# Allegro board Notecarrier-AE PCB v1.7.brd (continued)
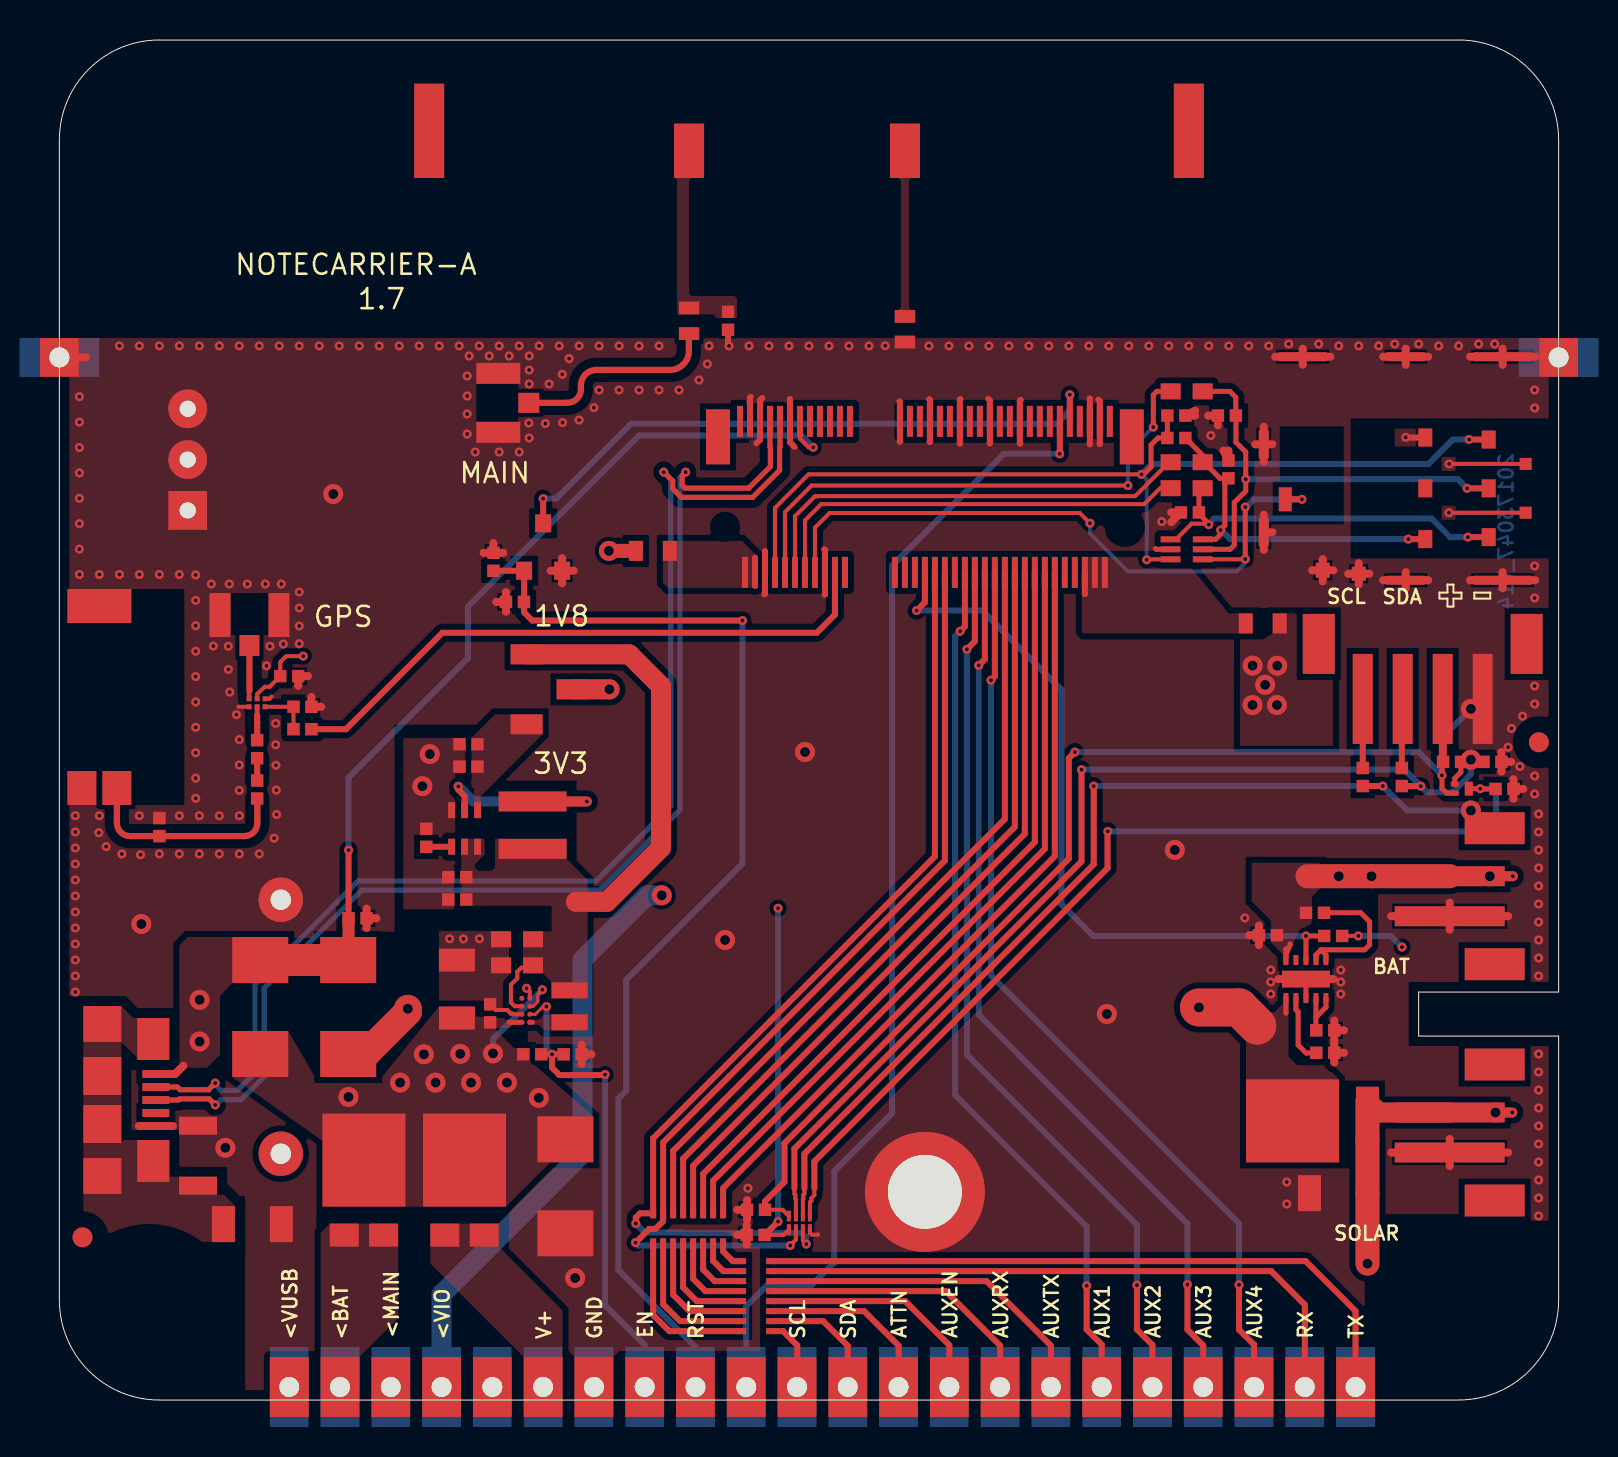
[diagram p0: board, top side]
## Copper pours and planes (outline as drawn; the poured copper is in the pictures) (continued)
VBAT on POWER: 9.52,13.54 9.52,11.31 9.92,10.92 14.91,10.92 15.32,11.32 15.32,18.35 15.65,18.69 16.09,18.69 16.35,18.95 16.35,21.5 16.34,21.52 16.64,21.82 57.89,21.82 58.01,21.94 58.01,39.32 58.51,39.84 62.64,39.84 63.15,39.33 63.15,25.06 63.28,24.92 66.05,24.92 66.22,25.08 66.22,41.88 66.01,42.09 56.09,42.09 55.85,41.84 55.85,24.83 55.21,24.2 15.51,24.2 12.78,21.47 12.78,16.05 10.5,13.77 9.73,13.77 9.73,13.75
USB_SHIELD on TOP: 1.2,19.7 3.1,19.7 3.7,19.1 5.5,19.1 5.5,17 3.9,17 3.9,17.1 3.1,17.9 3.1,12.85 3.25,13 5.5,13 5.5,11.16 7.89,11.16 7.89,10.26 8.25,10.26 8.8,9.71 8.8,7.91 7.65,7.91 7.65,7.91 2.44,7.91 1.2,9.14
V+ on TOP: 25.17,4.48 21.98,7.67 21.98,8.82 18.56,8.82 18.56,6.82 23.23,2.15 23.23,0.5 25.17,0.5
VIO on POWER: 1.48,52.26 74.5,52.26 74.5,52.23 73.31,52.23 73.31,33.73 72.75,33.73 72.75,33.48 72.31,33.48 72.31,32.79 72.75,32.79 72.75,32.55 72.65,32.55 72.65,31.86 72.99,31.86 72.99,31.94 73.31,31.94 73.31,20.9 66.25,20.9 66.25,5.59 73.31,5.59 73.31,5.54 74.5,5.54 74.5,5 74.36,3.89 73.95,2.84 15.62,2.84 15.62,10.03 14.46,10.03 14.46,2.84 13.35,2.84 13.35,5.72 12.09,5.72 12.09,2.84 1.05,2.84 0.66,3.8 0.5,4.81 6.42,4.81 6.42,8.83 1.25,8.83 1.25,19.93 1.25,19.93 1.25,29.75 4.17,29.75 4.17,40.56 1.48,40.56 ; 2 cut-outs
VIO_P on TOP: 30.19,42.96 30.19,40.87 30.45,40.61 34.95,40.61 34.95,42.16 34.15,42.96
VMAIN on TOP: 18.99,19.67 20.79,19.67 20.79,19.19 21.24,19.19 21.86,19.19 21.86,19.19 22.49,19.19 22.68,19.01 22.69,19.01 23.13,19.01 23.13,18.76 22.69,18.76 22.52,18.6 21.74,18.6 22.75,17.6 23.52,17.6 23.52,16.98 26.7,14.2 26.71,14.19 26.71,11.89 24.56,11.89 22.34,9.67 13.16,9.67 13.16,12.96 8.65,16.15 8.65,18.45 11.45,18.45 12.85,16.05 16.05,16.05
VMAIN on TOP: 60.89,39.33 63.75,39.33 63.72,37.19 63.71,32.71 59.05,32.72 59.06,37.19 59.06,38.03 60.2,38.03 60.7,38.33 60.7,39.33 60.9,39.33
VMAIN on POWER: 58.31,39.55 66.21,39.55 66.21,2.77 15.61,2.77 15.61,18.39 58.31,18.39 ; 1 cut-out
VMODEM_P on TOP: 51.15,42.16 51.15,38.42 51.24,38.33 59.7,38.33 59.7,39.33 58.5,39.33 56.17,42.16
VUSB on TOP: 8.66,20.84 8.04,20.22 8.04,17.26 7.38,16.61 6,16.61 6,22.73 6.42,23.15 11.45,23.15 11.45,20.85 11.44,20.84
N16805402 on TOP: 30.75,63.82 32.25,63.82 32.25,61.1 31.7,61.1 31.56,61.04 31.5,60.9 31.5,55.4 31.56,55.26 31.7,55.2 33.7,55.2 33.84,55.14 33.9,55 33.9,54.1 32.89,54.1 32.71,54.28 30.9,54.28 30.9,60.95 30.86,61.06 30.75,61.1
N16805626 on TOP: 41.55,63.82 43.05,63.82 43.05,61.1 42.7,61.1 42.56,61.04 42.5,60.9 42.5,54.7 42.56,54.56 42.7,54.5 42.81,54.5 42.81,53.86 41.79,53.86 41.79,54.5 41.9,54.5 42.04,54.56 42.1,54.7 42.1,60.9 42.04,61.04 41.9,61.1 41.55,61.1
N17180221 on TOP: 23.53,19.01 23.53,18.76 23.54,18.76 23.98,18.76 24.26,18.48 26.42,18.48 26.42,19.29 24.26,19.29 23.98,19.01
N17244572 on TOP: 59.36,11.88 64.01,11.88 64.01,16.03 63.31,16.74 61.93,16.74 61.49,17.17 61.48,19.55 61.48,20.35 61.23,20.35 61.23,19.85 60.78,19.39 59.66,19.39 59.36,19.1
N17244572 on POWER: 16.65,21.53 16.65,18.69 58.01,18.69 58.01,21.53

## Text on the board
BOTTOM: 20173047_V14
Ref Des/Silkscreen Top: SCL | SOLAR | BAT | SDA | <VUSB | <BAT | <MAIN | <VIO | V+ | GND | EN | RST | ATTN | AUXEN | AUXRX | AUXTX | AUX1 | AUX2 | AUX3 | AUX4 | RX | TX | NOTECARRIER-A | GPS | 1.7 | MAIN | 3V3 | 1V8
XSECTION_CHART: *  SURFACE - AIR 0 MM | * SOLDERMASK_TOP MASK - SOLDERMASK 0.02 MM | L1 TOP CONDUCTOR - COPPER 0.035 MM | *  DIELECTRIC - FR-4 0.2 MM | L2 GND PLANE - COPPER 0.035 MM | *  DIELECTRIC - FR-4 1 MM | L3 POWER PLANE - COPPER 0.035 MM | L4 BOTTOM CONDUCTOR - COPPER 0.035 MM | * SOLDERMASK_BOTTOM MASK - SOLDERMASK 0.02 MM | DESIGN CROSS SECTION CHART | ___________________________ | TOTAL THICKNESS 1.58 MM | 1-4
PAGE_OUTLINE: TOP and BOTTOM thickness layer shown in the image above contains +20um (from IPC-A-600 Class 2) of plating | BOTTOM | TOP | 0.26 | 0.2 | NA | 90 ohm | +/- 10% | Blues Inc
User.9: FIGURE | FINISHED SIZE | 0.2 | 0.5 | 0.81 | 1.0 | 1.02 | 3.7 | 1.1 | 1.6 | 3.3 | ALL UNITS ARE IN MILLIMETERS | TOLERANCE | +0.075/-0.075 | +0.1/-0.1 | TYPE | PLATED | NON-PLATED | QTY | 284 | 34 | 3 | 44 | 2 | 1 | 4 | DRILL CHART: TOP to BOTTOM
